# Altium PCB DM1092.PcbDoc (part 4 of 5) (continued)
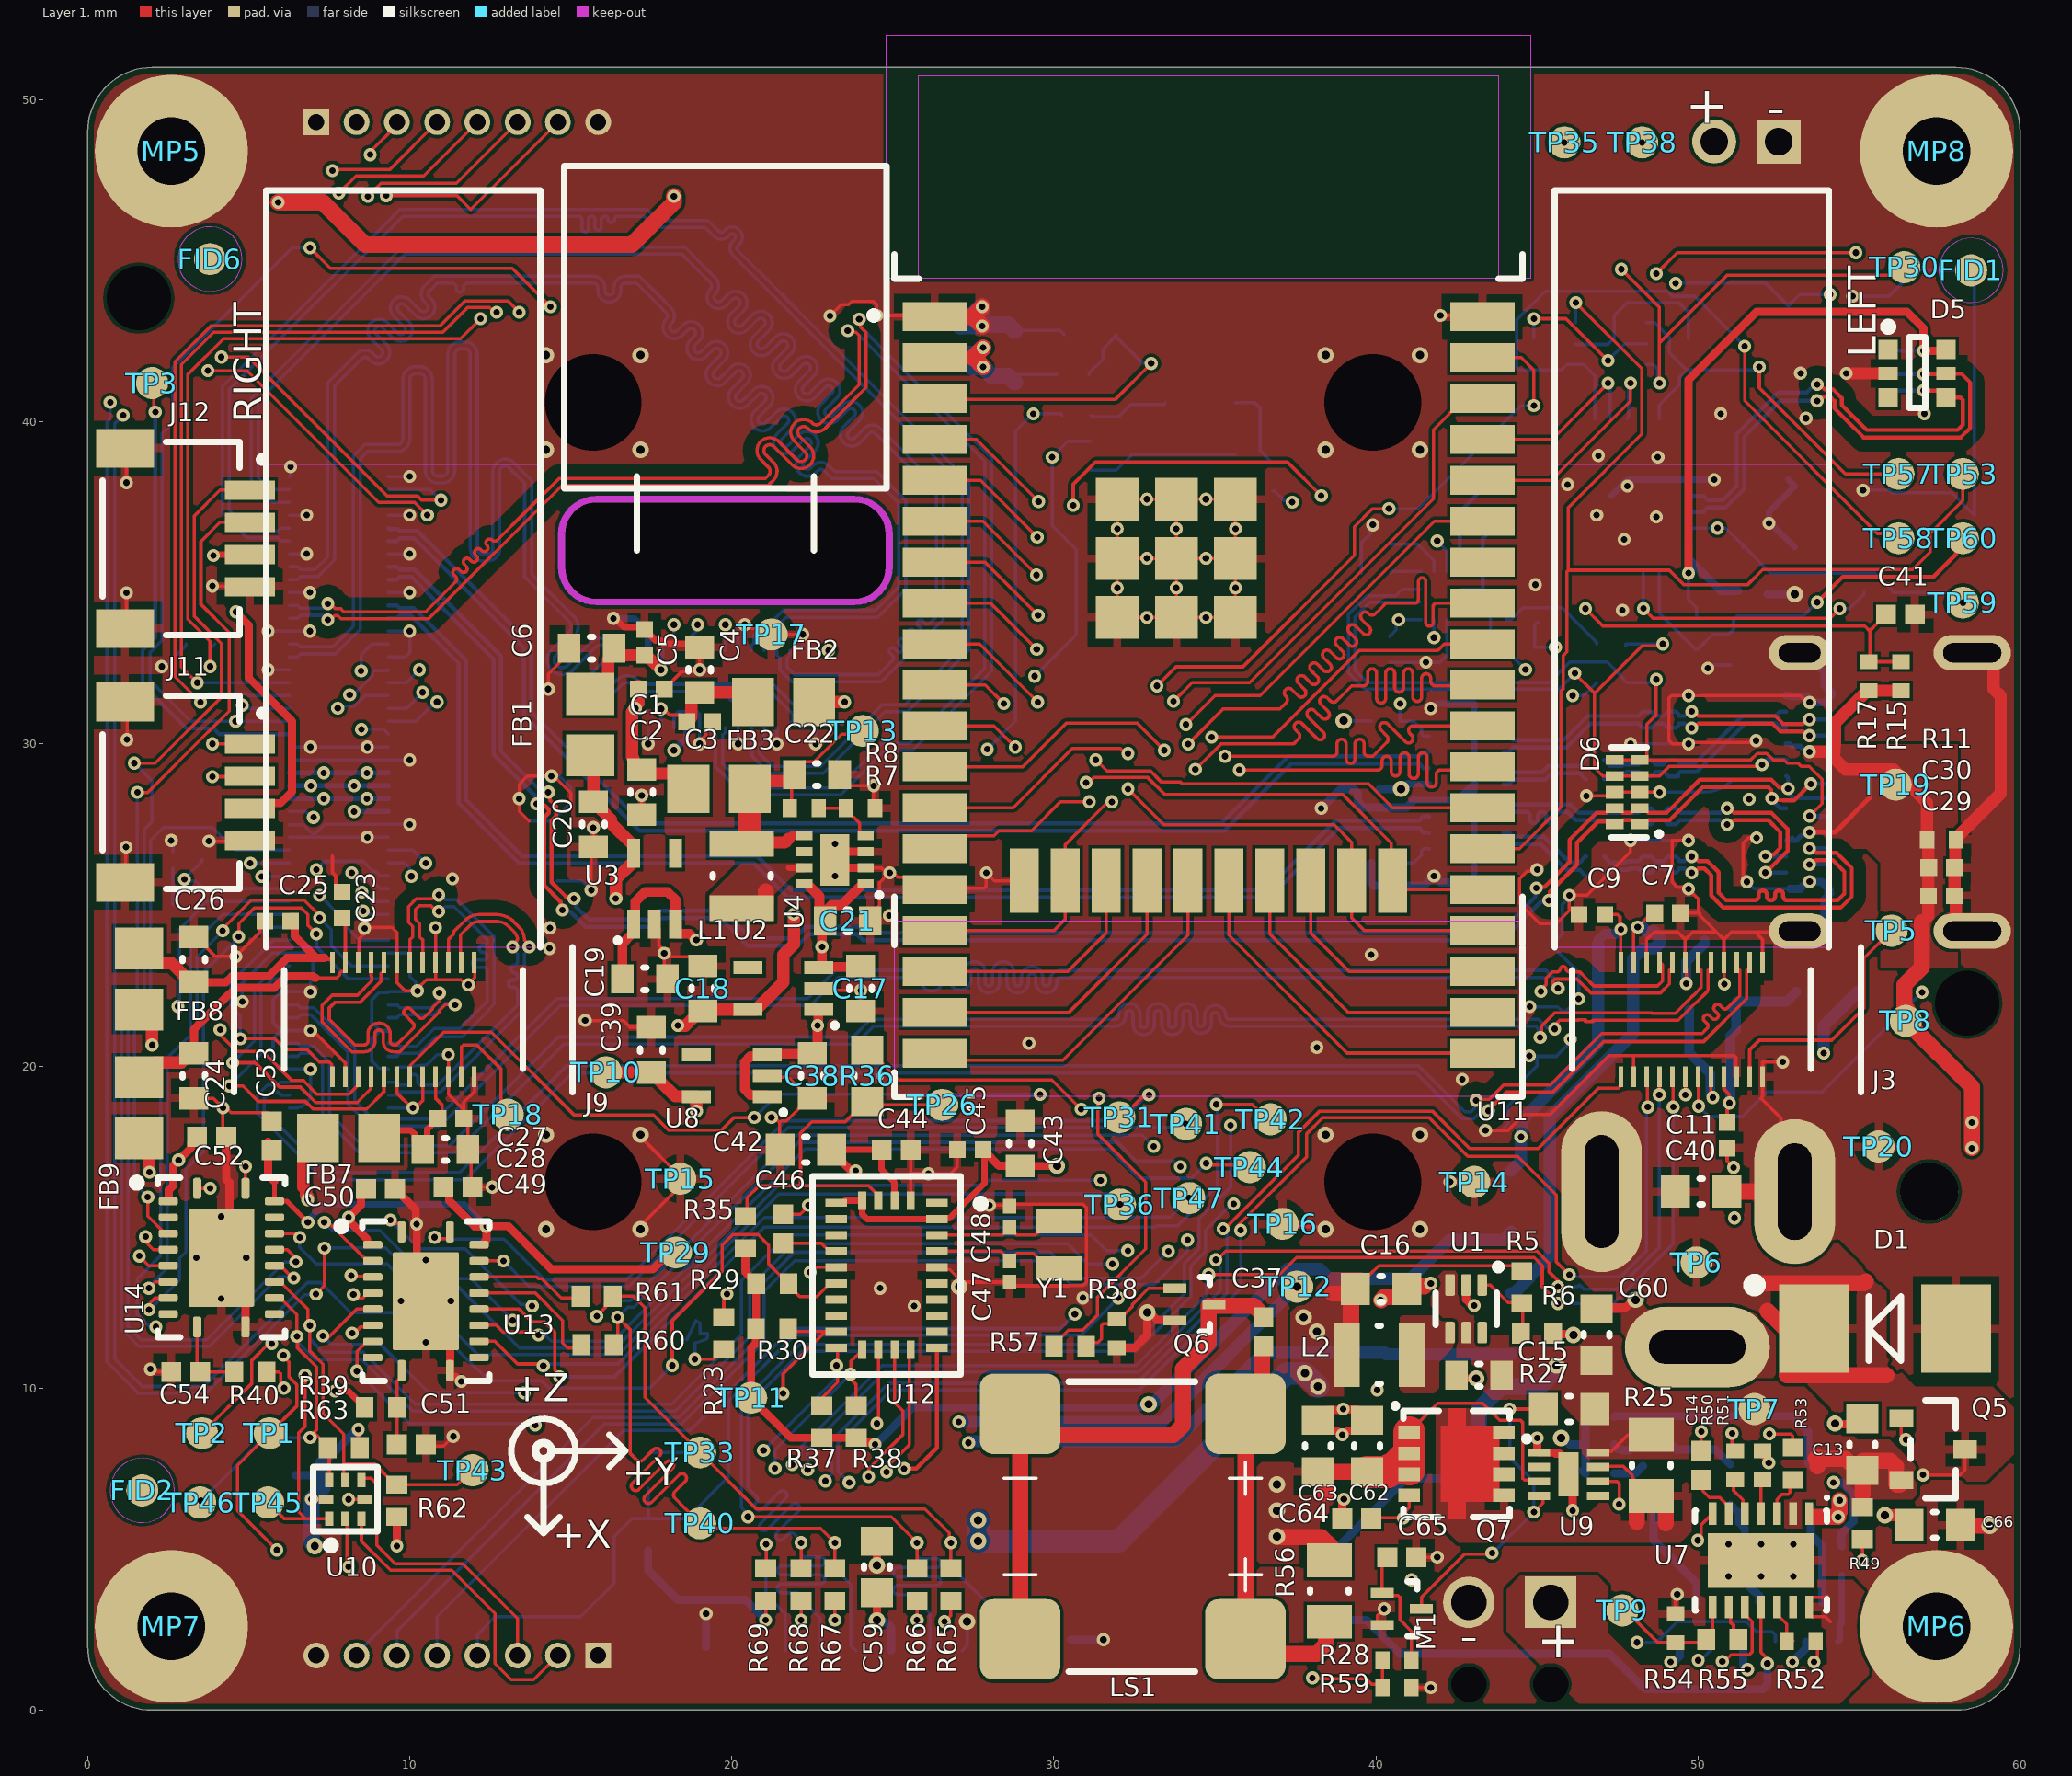
[diagram p0: Layer 1 view]
## Nets (pads, with @x,y where several pads share a name; then routed paths per layer and width w, separated by ;. In a path a pad name is that pad's centre, name@x,y a point inside that pad or via, vN(x,y) a via of type N, cw(c..) or ccw(c..) an arc to the next point about the centre after c; other vN are vias at no path point) (continued)
MIPI_RX5_D0_N: J1.21 J2.8 | length 50.7
  Layer 1 w0.102: v1(7.461,34.353) 7.528,34.353 7.677,34.204 7.847,34.204 7.95,34.1 10.495,34.1 11.39,34.996 11.426,35.032 ccw(c11.345,35.112) 11.426,35.193 11.372,35.247 cw(c11.453,35.328) 11.534,35.409 11.588,35.355 ccw(c11.669,35.436) 11.75,35.517 11.695,35.571 cw(c11.776,35.652) 11.695,35.732 cw(c11.776,35.652) 11.857,35.732 11.911,35.678 ccw(c11.992,35.759) 12.073,35.84 12.046,35.867 cw(c12.126,35.948) 12.046,36.029 cw(c12.126,35.948) 12.207,36.029 12.234,36.001 ccw(c12.315,36.082) 12.396,36.163 cw(c12.477,36.244) 12.558,36.325 ccw(c12.639,36.406) 12.719,36.325 13.613,37.218 14.638,38.244 21.044,38.244 21.137,38.337 ccw(c21.012,38.463) 21.137,38.589 20.895,38.831 cw(c21.173,39.11) 20.895,39.388 cw(c21.173,39.11) 21.416,39.42 21.42,39.42 22.022,38.818 ccw(c22.148,38.943) 22.274,39.069 ; 22.273,39.069 21.945,39.397 cw(c22.224,39.675) 22.502,39.954 ; 22.502,39.954 ccw(c22.628,40.079) 22.754,39.954 ; 22.754,39.954 23.511,40.711 23.951,41.151 23.951,42.681 23.85,42.783 23.644,42.783 v1(23.597,42.83)
  Layer 6 w0.102: J1.21@6.26,34.3 6.52,34.3 6.612,34.208 7.401,34.208 7.403,34.209 7.403,34.295 v1(7.461,34.353) ; J2.8@19.8,30.5 19.8,30.36 19.708,30.268 19.708,29.386 20.459,28.634 23.284,28.634 24.666,30.016 25.516,30.016 27.85,32.35 27.85,38.783 23.85,42.783 23.644,42.783 v1(23.597,42.83) v1@23.651,42.884
MIPI_RX5_D0_P: J1.23 J2.9 | length 50.6
  Layer 1 w0.102: v1(7.461,33.847) 7.532,33.847 7.673,33.988 7.757,33.988 7.861,33.884 10.584,33.884 14.728,38.028 21.133,38.028 21.178,38.072 21.29,38.184 ccw(c21.012,38.463) 21.322,38.706 21.322,38.71 21.048,38.983 cw(c21.173,39.11) 21.047,39.235 ; 21.048,39.236 cw(c21.173,39.11) 21.3,39.235 ; 21.3,39.234 21.87,38.664 ccw(c22.148,38.943) 22.426,39.222 22.099,39.549 ; 22.098,39.549 cw(c22.224,39.675) 22.35,39.8 ccw(c22.628,40.079) 22.906,39.801 23.664,40.559 ; 23.664,40.559 23.776,40.671 24.167,41.062 24.167,42.771 24.003,42.936 24.003,43.141 v1(23.955,43.188)
  Layer 6 w0.102: J1.23@6.26,33.9 6.52,33.9 6.612,33.992 v1@7.401,33.992 ; J2.9@19.4,30.5 19.4,30.36 19.492,30.268 19.492,29.296 20.37,28.418 23.374,28.418 24.755,29.8 25.605,29.8 28.066,32.261 28.066,38.872 24.003,42.936 24.003,43.141 v1(23.955,43.188) v1@23.916,43.149
MIPI_RX5_D1_N: J1.27 J2.2 | length 51.1
  Layer 6 w0.102: J1.27@6.26,33.1 6.52,33.1 6.612,33.008 7.608,33.008 8.25,33.65 8.25,38.937 8.607,39.294 9.617,39.294 ccw(c9.617,39.463) 9.786,39.463 9.786,41.321 cw(c10.17,41.321) 10.17,41.705 10.315,41.705 cw(c10.315,41.321) 10.7,41.321 10.7,38.486 ccw(c10.869,38.486) 10.869,38.318 11.014,38.318 ccw(c11.014,38.486) 11.183,38.486 11.183,42.097 cw(c11.567,42.097) 11.567,42.482 11.712,42.482 cw(c11.712,42.097) 12.097,42.097 12.097,36.059 ccw(c12.266,36.059) 12.266,35.89 12.411,35.89 ccw(c12.411,36.059) 12.58,36.059 12.58,38.457 cw(c12.964,38.457) 13.201,38.76 13.205,38.76 13.721,38.244 13.784,38.181 13.784,35.269 15.095,33.958 ; 14.686,34.367 15.095,33.958 ; 15.614,33.148 14.9,32.434 cw(c14.729,32.605) 14.559,32.433 14.558,32.435 cw(c14.729,32.605) 14.559,32.775 15.095,33.311 ccw(c14.772,33.635) 15.127,33.923 15.127,33.926 15.095,33.958 ; 15.614,33.148 cw(c15.938,32.825) 16.261,33.149 cw(c15.938,32.825) 16.261,32.502 15.546,31.787 ccw(c15.717,31.617) 15.546,31.447 15.547,31.446 ccw(c15.717,31.617) 15.888,31.446 16.424,31.982 cw(c16.747,31.659) 17.035,32.014 17.039,32.014 17.07,31.983 ; 17.071,31.982 17.183,31.87 17.203,31.85 21.275,31.85 22.108,31.017 22.108,30.732 22.2,30.64 J2.2@22.2,30.5
MIPI_RX5_D1_P: J1.29 J2.3 | length 51.1
  Layer 6 w0.102: J1.29@6.26,32.7 6.52,32.7 6.612,32.792 7.697,32.792 8.466,33.561 8.466,38.847 8.697,39.078 9.617,39.078 ccw(c9.617,39.463) 10.001,39.463 10.001,41.321 cw(c10.17,41.321) 10.17,41.489 10.315,41.489 cw(c10.315,41.321) 10.484,41.321 10.484,38.486 ccw(c10.869,38.486) 10.869,38.102 11.014,38.102 ccw(c11.014,38.486) 11.398,38.486 11.398,42.097 cw(c11.567,42.097) 11.567,42.266 11.712,42.266 cw(c11.712,42.097) 11.881,42.097 11.881,36.059 ccw(c12.266,36.059) 12.266,35.674 12.411,35.674 ccw(c12.411,36.059) 12.795,36.059 12.795,38.457 cw(c12.964,38.457) 13.085,38.575 13.568,38.092 13.568,35.179 14.533,34.214 ; 15.394,31.94 ccw(c15.717,31.617) 15.394,31.293 ccw(c15.717,31.617) 16.041,31.294 ; 15.394,31.941 16.108,32.655 ccw(c15.938,32.825) 16.109,32.995 ; 16.041,31.294 16.576,31.829 cw(c16.747,31.659) 16.919,31.829 17.03,31.718 17.114,31.634 19.4,31.634 19.756,31.634 cw(c19.756,31.482) 19.908,31.482 ccw(c20.06,31.481) 20.213,31.481 cw(c20.365,31.482) 20.365,31.634 21.186,31.634 21.692,31.128 21.892,30.928 21.892,30.732 21.8,30.64 J2.3@21.8,30.5 ; 16.108,32.996 ccw(c15.938,32.825) 15.767,32.996 15.053,32.282 cw(c14.729,32.605) 14.406,32.281 cw(c14.729,32.605) 14.406,32.928 14.942,33.464 ccw(c14.772,33.635) 14.941,33.806 ; 14.533,34.214 14.941,33.806 ; 14.533,34.214 14.941,33.806
MX_INT_1V8: J1.59 U14.4 | length 17.7
  Layer 1 w0.102: v1(1.865,15.935) 1.865,15.337 2.402,14.8 U14.4@2.5,14.8
  Layer 6 w0.102: v1(1.865,15.935) 1.455,16.345 1.455,21.27 1.95,21.765 1.95,27 2.35,27.4 3.885,27.4 4.585,26.7 J1.59@6.26,26.7
MX_INT_3V3: TP36.1 U11.8 U14.17 | length 52.5
  Layer 1 w0.102: U14.17@5.8,14.8 6.458,14.8 v1(6.584,14.673) ; U11.8@26.3,34.37 28.03,34.37 v1(29.464,32.936) ; v1(32.05,15.7) 32.05,15.832 TP36.1@32.131,15.914
  Layer 3 w0.102: v1(29.464,32.936) 29.85,32.55 29.85,30.702 29.84,30.692 29.84,26.148 31.754,24.233 31.754,16.688 32.05,16.392 v1(32.05,15.7)
  Layer 6 w0.102: v1(6.584,14.673) 6.584,14.366 7.1,13.85 9.3,13.85 12.102,11.048 14.231,11.048 14.233,11.047 16.478,11.047 17.791,12.359 21.461,16.029 27.844,16.029 27.847,16.032 31.648,16.032 31.981,15.7 v1(32.05,15.7)
MX_RST_1V8: B1.2 J1.39 Q3.1 TP2.1 U14.1 | length 155.1
  Layer 1 w0.102: U14.1@3.4,16.2 v1(3.8,16.2) ; TP2.1@3.55,8.6 5.1,10.15 5.1,10.863 5.626,11.39 5.634,11.382 v1(5.718,11.382) ; v1(6.9,45.4) 7.54,44.76 13.181,44.76 v1(14.368,43.574) ; v1(30.6,37.4) 30.6,38.06 31.286,38.746 37.254,38.746 v1(38.3,37.7)
  Layer 3 w0.102: v1(4.594,30.7) 4.071,30.7 3.41,30.04 3.41,26.516 5.356,24.571 5.356,17.835 3.8,16.28 v1(3.8,16.2) 3.8,15.476 3.796,15.472 3.796,15.178 3.8,15.174 3.8,14.411 5.15,13.061 5.15,11.95 5.7,11.4 v1(5.718,11.382) ; v1(14.368,43.574) 16.752,43.574 22.197,38.129 29.8,38.129 30.529,37.4 v1(30.6,37.4) ; v1(38.3,37.7) 39.554,36.446 41.545,36.446 42.876,37.777 43.332,37.777 46.253,40.698 46.253,41.454 49.041,44.242 49.242,44.242 v1(49.3,44.3) ; v1(50,1.55) 50.392,1.158 50.927,1.158 51.2,1.43 51.2,1.9 52.8,3.5 54.65,3.5 56.675,5.525 59.093,7.943 59.093,18.407 56.5,21 56.5,39.2 55.8,39.9 55.8,42.25 v1(54.1,43.95)
  Layer 6 w0.102: J1.39@6.26,30.7 v1(4.594,30.7) 3.2,30.7 1.946,31.954 1.946,32.843 2.314,33.211 2.314,39.632 2.633,39.951 2.633,41.683 6.35,45.4 v1(6.9,45.4) ; v1(49.3,44.3) 52.101,44.3 B1.2@52.8,43.6 ; v1(50,1.55) 50.075,1.55 50.45,1.925 Q3.1@50.45,2.13 Q3.1@50.45,2.335 ; B1.2@52.8,43.6 53.15,43.95 v1(54.1,43.95)
MX_RST_3V3: TP45.1 U10.1 U14.20 | length 14.7
  Layer 1 w0.102: U14.20@4.9,16.2 v1(4.9,16.879) ; TP45.1@5.6,6.45 6.1,5.95 6.761,5.95 ; v1(6.75,10.4) 6.75,8.809 6.551,8.61 6.551,6.16 6.761,5.95 ; U10.1@7.5,5.946 7.496,5.95 6.761,5.95
  Layer 3 w0.102: v1(4.9,16.879) 4.9,14.85 5.493,14.257 5.493,12.108 6.7,10.901 6.7,10.45 v1(6.75,10.4)
NetC14_2: C14.2 U7.6 | length 1.7
  Layer 1 w0.102: C14.2@50.1,7.22 50.15,7.17 50.15,6.8 50.349,6.601 50.674,6.601 50.95,6.325 U7.6@50.95,6.1
NetC37_1: C37.1 LS1.1 LS1.4 R56.2 | length 13
  Layer 1 w0.5: C37.1@36.5,11.3 36.457,11.257 36.457,9.707 LS1.1@35.95,9.2 LS1.4@35.95,2.2 36.4,1.75 38.157,1.75 38.45,2.043 38.45,2.75 R56.2@38.55,2.75 R56.2@38.5,2.8
NetC37_2: C37.2 LS1.2 LS1.3 Q6.3 | length 18.2
  Layer 1 w0.5: LS1.3@28.95,2.2 LS1.2@28.95,9.2 29.6,8.55 33.707,8.55 34,8.843 34,10.6 34.8,11.4 Q6.3@34.8,12.55 ; Q6.3@35.015,12.55 36.2,12.55 C37.2@36.55,12.2
NetC40_2: C40.2 D1.1 J7.1 Q5.3 TP6.1 U7.7 | length 19.3
  Layer 1 w0.102: v1(49.989,5.276) 49.989,5.353 50.1,5.464 50.1,5.764 50.443,6.107 U7.7@50.45,6.1 ; v1(56.981,7.304) 58.135,7.304 58.291,7.459 Q5.3@58.291,8.1
  Layer 1 w0.5: 52.05,13.25 55.144,13.25 55.202,13.308 ; 52.15,12.4 52.78,11.77 52.898,11.67 D1.1@53.528,11.978 ; 52.753,10.4 55.847,10.4
  Layer 3 w0.102: v1(49.989,5.276) 49.989,5.34 50.199,5.551 56.123,5.551 56.931,6.358 v1@56.931,7.154
NetC51_2: C51.2 R39.1 U13.10 | length 2.4
  Layer 1 w0.102: C51.2@9.6,8.25 R39.1@9.6,9.4 9.6,10.216 9.667,10.283 9.677,10.283 9.75,10.356 U13.10@9.75,10.55
NetC54_2: C54.2 R40.2 U14.10 | length 2.6
  Layer 1 w0.102: U14.10@3.4,11.9 3.4,10.85 3.4,10.6 C54.2@3.5,10.5 ; C54.2@3.6,10.4 C54.2@3.5,10.5 ; R40.2@4.55,10.5 C54.2@3.5,10.5
NetC65_2: C65.2 M1.1 R28.1 | length 3.9
  Layer 1 w0.102: C65.2@40.35,4.75 40.19,4.59 M1.1@40.19,3.65 40.28,3.56 40.69,3.56 40.75,3.5 40.75,2.8 41.1,2.45 R28.1@41.1,1.55
NetD2_1: D2.1 Q1.3 | length 3.1
  Layer 6 w0.254: D2.1@53.5,6.332 53.5,5.45 53.85,5.1 Q1.3@53.85,3.35
NetD2_2: D2.2 R32.1 | length 7.3
  Layer 6 w0.254: R32.1@47.4,9.1 47.43,9.13 52.932,9.13 53.409,8.653 53.409,7.674 D2.2@53.5,7.582
NetD3_1: D3.1 Q2.3 | length 3.4
  Layer 6 w0.254: D3.1@51,6.382 51.273,6.109 51.273,5.827 51.45,5.65 51.45,3.975 51.752,3.673 51.782,3.673 51.9,3.555 Q2.3@51.9,3.35
NetD3_2: D3.2 R33.1 | length 4
  Layer 6 w0.254: R33.1@47.4,8.25 47.4,8.2 47.498,8.102 47.605,8.102 47.647,8.061 47.857,8.061 48.006,8.209 49.214,8.209 49.331,8.093 50.54,8.093 D3.2@51,7.632
NetD4_1: D4.1 Q3.3 | length 3.5
  Layer 6 w0.254: D4.1@48.619,6.332 48.619,5.281 49.95,3.95 Q3.3@49.95,3.35
NetD4_2: D4.2 R34.1 | length 1
  Layer 6 w0.254: R34.1@47.4,7.35 48.05,7.35 D4.2@48.282,7.582
NetD9_2: D9.2 R48.1 | length 6.1
  Layer 6 w0.254: D9.2@38.6,4.4 38.6,4.85 40.948,7.198 42.753,7.198 42.902,7.347 42.902,7.402 43.05,7.55 R48.1@43.1,7.55
NetJ1_4: J1.4 R36.2 | length 91.4
  Layer 1 w0.102: v1(4.15,42.007) 4.989,42.007 9.294,37.702 10.233,37.702 10.369,37.565 v1(10.973,37.565) ; v1(7.092,12.923) 7.35,13.181 v1(7.35,14.35) ; R36.2@24.25,20.5 25.186,19.564 29.939,19.564 v1(30.848,18.655)
  Layer 3 w0.102: v1(0.7,40.6) 2.107,42.007 v1(4.15,42.007) ; v1(30.848,18.655) 31.45,18.053 v1(31.45,16.45)
  Layer 6 w0.102: v1(0.7,40.6) 0.7,40.085 0.6,39.985 0.6,10.809 1.561,9.848 3.684,9.848 6.736,12.901 7.07,12.901 v1(7.092,12.923) ; v1(7.35,14.35) 9.25,14.35 10.45,13.15 11.5,13.15 13.4,11.25 14.315,11.25 14.316,11.248 16.395,11.248 17.491,12.345 21.446,16.3 27.83,16.3 27.98,16.45 v1(31.45,16.45) ; J1.4@9.34,37.9 10.639,37.9 v1(10.973,37.565)
NetJ14_1: J14.1 R69.1 | length 4.3
  Layer 1 w0.102: R69.1@21.05,4.4 21.065,4.415 v1(21.065,5.157)
  Layer 6 w0.102: v1(21.065,5.157) 21.05,5.142 21.05,3.6 21.65,3 J14.1@21.65,1.85
NetL1_1: L1.1 U4.7 | length 1.7
  Layer 1 w0.2: 21.781,26.15 U4.7@22.25,26.15
  Layer 1 w0.5: L1.1@20.3,24.9 20.9,24.9 21.05,25.05 21.05,25.419
NetL2_1: L2.1 U1.4
NetM1_3: M1.3 R27.1 U9.4 | length 11.2
  Layer 1 w0.102: M1.3@41.41,3.15 41.41,3.51 42.75,4.85 43.57,4.85 v1(43.6,4.88) ; v1(44.15,9.35) 44.801,9.35 45.189,8.962 R27.1@45.189,8.905 ; v1(44.9,6.15) 45.182,6.432 45.182,6.576 45.108,6.65 U9.4@45.05,6.65 ; R27.1@44.95,9.05 45.044,9.05 R27.1@45.189,8.905 ; R27.1@45.2,9.35 45.189,9.339 R27.1@45.189,8.905
  Layer 6 w0.102: v1(43.6,4.88) 43.63,4.88 v1(44.9,6.15) 44.9,7.101 44.15,7.851 v1(44.15,9.35)
NetQ1_1: Q1.1 R31.1 | length 2.1
  Layer 6 w0.203: Q1.1@54.35,2.13 54.398,2.178 54.398,2.648 54.45,2.7 R31.1@54.45,4.2
NetQ4_2: Q4.2 R46.1 | length 4.9
  Layer 1 w0.102: v1(44.9,43.2) 45.9,43.2 v1(47.2,41.9)
  Layer 6 w0.102: R46.1@44.9,42.6 v1(44.9,43.2) ; v1(47.2,41.9) 47.725,42.425 Q4.2@48.4,42.425
NetQ4_5: Q4.5 R43.2 | length 5.4
  Layer 6 w0.102: Q4.5@46.2,42.425 46.225,42.4 47.2,42.4 47.4,42.6 47.4,43.3 47.798,43.698 49.402,43.698 49.7,43.4 R43.2@49.7,42.6
NetQ5_1: Q5.1 R49.1 U7.10 | length 15.5
  Layer 1 w0.102: v1(50.75,1.512) 50.812,1.512 51.024,1.724 51.587,1.724 51.676,1.813 51.676,2.749 51.45,2.975 U7.10@51.45,3.2 ; v1(55.1,4.65) 55.1,4.999 54.95,5.15 R49.1@55.1,5.3 ; Q5.1@56.309,9.052 56.309,8.541 v1(56.45,8.4)
  Layer 3 w0.102: v1(50.75,1.512) 50.804,1.566 50.804,1.789 52.716,3.702 54.001,3.702 54.95,4.65 55.508,4.65 57.558,6.7 57.558,7.617 56.775,8.4 v1(56.45,8.4)
NetQ6_1: Q6.1 R57.2 R58.2 | length 3.8
  Layer 1 w0.102: R57.2@31,11.3 31.118,11.418 31.368,11.418 31.474,11.524 31.474,11.944 31.534,12.004 31.904,12.004 32.44,12.54 32.44,12.6 32.935,13.095 Q6.1@33.75,13.095
NetR4_2: R4.2 R24.1 R26.1 | length 4.7
  Layer 6 w0.102: R4.2@31.138,38.492 31.938,38.492 32.388,38.942 32.388,38.992 33.988,38.992 34.038,38.992 R24.1@35.638,38.992
NetR7_1: R7.1 R8.2 U4.4 | length 2
  Layer 1 w0.102: R7.1@22.7,28 R8.2@23.55,28 23.55,27.95 23.963,27.537 23.963,27.227 24.04,27.15 U4.4@24.15,27.15
NetR12_1: R12.1 U5.2 | length 1.2
  Layer 6 w0.102: R12.1@40.75,26.3 41.165,26.3 41.413,26.548 41.413,26.689 41.475,26.75 U5.2@41.65,26.75
NetR13_1: R13.1 U5.9 U6.11 | length 5
  Layer 3 w0.102: v1(40.75,31.25) 40.814,31.25 40.991,31.428 40.991,32.784 41.504,33.297 41.797,33.297 v1(41.8,33.3)
  Layer 6 w0.102: v1(40.75,31.25) R13.1@40.75,30.7 41.165,30.7 41.413,30.452 41.413,30.312 41.475,30.25 U5.9@41.65,30.25 ; v1(41.8,33.3) U6.11@41.8,33.85
NetR18_1: R18.1 R20.1 TP23.1 U6.7 | length 7.1
  Layer 6 w0.102: U6.7@42.65,34.8 43.313,34.8 43.658,34.455 43.658,34.369 44.05,33.977 44.05,33.85 44.177,33.85 44.553,34.226 45.774,34.226 46.85,33.15 R18.1@46.85,33.1
  Layer 6 w0.127: 43.313,34.8 43.313,36.378 TP23.1@43.411,36.476
NetR19_1: R19.1 R21.1 TP22.1 U6.8 | length 7.2
  Layer 3 w0.102: v1(44.64,32.306) 45.294,32.306 v1(46.1,31.5)
  Layer 6 w0.102: U6.8@42.65,34.4 43.152,34.4 43.55,34.002 43.55,33.318 43.829,33.039 43.973,33.039 43.986,33.026 R21.1@43.986,32.882 ; R21.1@44.02,32.848 44.02,32.798 44.147,32.798 44.506,32.439 v1(44.64,32.306) ; v1(46.1,31.5) 46.45,31.5 R19.1@46.85,31.9
  Layer 6 w0.127: TP22.1@43.018,32.684 43.986,32.684 44.02,32.718 R21.1@44.02,32.798 ; R21.1@43.986,32.882 R21.1@44.02,32.848
NetR42_2: R42.2 R44.2 TP60.1 U15.8 | length 12.6
  Layer 1 w0.127: v1(53.7,34.4) 54.485,35.185 57.305,35.185 57.999,35.88 57.999,35.927 58.172,36.099 TP60.1@58.219,36.099
  Layer 6 w0.102: U15.8@48.8,35.3 48.8,34.05 49.9,32.95 R42.2@49.95,32.95 50,32.95 50.45,33.4 50.95,33.4 R44.2@51,33.45 51.1,33.55 51.1,33.85 51.214,33.964 53.264,33.964 v1(53.7,34.4)
NetR45_2: R45.2 U15.9 | length 8.4
  Layer 1 w0.102: v1(48.3,34.201) 48.601,33.9 54.1,33.9 v1(54.4,34.2)
  Layer 6 w0.102: v1(48.3,34.201) U15.9@48.3,35.3 ; v1(54.4,34.2) 54.7,34.2 55.15,34.65 R45.2@55.15,34.7
NetR52_2: R52.2 U7.12 | length 1.3
  Layer 1 w0.102: U7.12@52.45,3.2 52.45,2.975 52.75,2.675 52.75,2.35 R52.2@52.95,2.15
NetR53_2: R53.2 U7.3 | length 1.4
  Layer 1 w0.102: U7.3@52.45,6.1 52.45,6.55 52.6,6.7 52.79,6.7 52.85,6.76 R53.2@52.85,7.15 ; R53.2@52.75,7.15 R53.2@52.75,7.25
NetR55_1: R55.1 U7.9 | length 1.1
  Layer 1 w0.102: U7.9@50.95,3.2 51.01,3.14 51.01,2.7 51.04,2.7 51.1,2.64 51.1,2.35 R55.1@51.25,2.2
NetTP21_1: TP21.1 U6.6 | length 3
  Layer 6 w0.127: U6.6@42.6,35.35 42.6,37.205 TP21.1@43.403,38.008
NTC: R54.2 R55.2 TP9.1 U7.8 | length 4.3
  Layer 1 w0.102: TP9.1@47.85,3.1 47.85,2.999 48.749,2.1 R54.2@49.3,2.1 50.15,2.1 R55.2@50.25,2.2 50.45,2.4 U7.8@50.45,3.2 50.45,3.425 U7.8@50.376,3.499
RTS: Q4.4 R46.2 TP58.1 U15.24 | length 21.9
  Layer 1 w0.102: v1(51.447,42.344) 51.447,40.653 55.567,36.533 56.069,36.533 TP58.1@56.219,36.383
  Layer 6 w0.102: U15.24@46.8,40.1 46.8,41.425 46.45,41.775 45.923,41.775 45.748,41.6 44.423,41.6 44.363,41.66 44.363,43.164 45.253,44.054 49.045,44.054 49.199,43.9 49.891,43.9 v1(51.447,42.344)
RXB_N: D7.2 D7.9 J10.B10 U5.13 | length 11
  Layer 1 w0.127: v1(49.8,30.497) 49.875,30.497 50.014,30.636 52.302,30.636 52.546,30.392 53.245,30.392 53.381,30.256 v1(53.457,30.256)
  Layer 6 w0.127: U5.13@43.95,29.75 44.125,29.75 44.261,29.886 45.919,29.886 46.669,30.636 48.149,30.636 48.285,30.5 D7.9@48.41,30.5 48.535,30.5 48.671,30.636 48.929,30.636 49.065,30.5 D7.2@49.19,30.5 49.315,30.5 49.401,30.586 49.401,30.631 49.406,30.636 49.586,30.636 49.725,30.497 v1(49.8,30.497) ; v1(53.457,30.256) J10.B10@54.041,30.256
RXB_P: D7.1 D7.10 J10.B11 U5.12 | length 11
  Layer 1 w0.127: v1(49.8,31.003) 49.875,31.003 50.014,30.864 52.397,30.864 52.641,30.621 53.245,30.621 53.381,30.756 v1(53.457,30.756)
  Layer 6 w0.127: U5.12@43.95,30.25 44.125,30.25 44.261,30.114 45.825,30.114 46.575,30.864 48.149,30.864 48.285,31 D7.10@48.41,31 48.535,31 48.671,30.864 48.929,30.864 49.065,31 D7.1@49.19,31 49.315,31 49.401,30.913 49.401,30.869 49.406,30.864 49.586,30.864 49.725,31.003 v1(49.8,31.003) ; v1(53.457,30.756) J10.B11@54.041,30.756
RXC_N: D8.2 D8.9 J10.A10 U5.17 | length 11.8
  Layer 1 w0.127: v1(50.9,27.494) 50.975,27.494 51.114,27.632 52.179,27.632 52.545,27.267 52.545,26.769 52.34,26.564 v1@52.22,26.564 ; v1(52.091,26.51) v1@52.118,26.51
  Layer 6 w0.127: U5.17@43.95,27.75 44.125,27.75 44.261,27.886 44.332,27.886 44.649,27.886 cw(c44.649,27.759) 44.776,27.759 44.776,27.672 ccw(c44.903,27.672) 45.03,27.672 45.03,27.759 cw(c45.157,27.759) 45.284,27.759 45.284,27.672 ccw(c45.411,27.672) 45.538,27.672 45.538,27.759 cw(c45.665,27.759) 45.665,27.886 45.941,27.886 46.164,27.662 46.191,27.636 46.228,27.636 48.149,27.636 48.285,27.5 48.535,27.5 48.671,27.636 48.929,27.636 49.065,27.5 49.315,27.5 49.451,27.636 49.968,27.636 49.972,27.633 50.686,27.633 50.825,27.494 v1(50.9,27.494) ; v1(52.091,26.51) 52.093,26.508 52.739,26.508 J10.A10@52.741,26.506
RXC_P: D8.1 D8.10 J10.A11 U5.16 | length 11.8
  Layer 1 w0.127: v1(50.9,28) 50.975,28 51.114,27.861 52.274,27.861 52.773,27.362 52.773,26.674 52.102,26.002 v1(52.091,26.002)
  Layer 6 w0.127: U5.16@43.95,28.25 44.125,28.25 44.261,28.114 46.035,28.114 46.285,27.864 48.149,27.864 48.285,28 48.535,28 48.671,27.864 48.929,27.864 49.065,28 49.315,28 49.451,27.864 50.063,27.864 50.066,27.861 50.686,27.861 50.825,28 v1(50.9,28) ; v1(52.091,26.002) 52.093,26.004 52.739,26.004 J10.A11@52.741,26.006
SD_SPI_CS: J14.2 R68.1 U11.27 | length 63.6
  Layer 1 w0.102: R68.1@22.15,4.4 v1(22.15,5.2) ; v1(35.75,29.19) 40,29.19 40.051,29.19 ccw(c40.051,29.329) 40.191,29.329 40.191,29.478 cw(c40.33,29.478) 40.47,29.478 40.47,29.145 ccw(c40.61,29.145) 40.749,29.145 40.749,29.583 cw(c40.889,29.583) 41.029,29.583 41.029,29.063 ccw(c41.168,29.063) 41.308,29.063 41.308,29.583 cw(c41.448,29.583) 41.588,29.583 41.588,28.797 ccw(c41.727,28.797) 41.867,28.797 41.867,29.05 cw(c42.007,29.05) 42.007,29.19 42.45,29.19 43.2,29.19 U11.27@43.3,29.29
  Layer 3 w0.102: v1(35.58,15.72) 35.58,15.802 35.885,16.107 35.885,28.988 35.75,29.123 v1(35.75,29.19)
  Layer 6 w0.102: J14.2@22.75,1.85 22.75,2.85 22.15,3.45 22.15,3.501 ccw(c22.01,3.501) 22.01,3.641 21.554,3.641 cw(c21.554,3.78) 21.554,3.92 22.746,3.92 ccw(c22.746,4.06) 22.746,4.199 21.554,4.199 cw(c21.554,4.339) 21.554,4.479 22.746,4.479 ccw(c22.746,4.618) 22.746,4.758 22.29,4.758 cw(c22.29,4.898) 22.15,4.898 22.15,5.167 22.15,5.255 21.977,5.427 21.941,5.463 ccw(c21.843,5.364) 21.744,5.463 21.601,5.32 cw(c21.502,5.419) 21.403,5.517 22.067,6.181 ccw(c21.968,6.28) 21.869,6.379 21.1,5.61 cw(c21.001,5.708) 20.902,5.807 21.672,6.576 ccw(c21.573,6.675) 21.672,6.774 ccw(c21.573,6.675) 21.474,6.774 20.951,6.251 cw(c20.852,6.35) 20.754,6.449 20.756,6.451 ccw(c20.657,6.55) 20.756,6.649 20.602,6.802 20.498,6.906 20.498,9.463 22.184,11.148 32.556,11.148 34.252,12.844 34.252,13.785 34.706,14.239 34.706,14.906 35.519,15.72 v1(35.58,15.72)
SD_SPI_MISO: J14.7 R60.2 R65.1 TP33.1 U11.36 | length 69.8
  Layer 1 w0.102: v1(15.804,12.233) 16.076,12.505 16.076,12.626 R60.2@16.3,12.85 16.95,12.85 17.3,12.5 17.3,9.715 TP33.1@19.015,8 20.765,6.25 26,6.25 26.75,5.5 26.75,5.25 v1(26.8,5.2) R65.1@26.8,4.4 ; v1(33.712,31.321) 34.291,31.9 36.079,31.9 41.785,37.606 41.785,39.755 42.75,40.72 U11.36@43.3,40.72
  Layer 3 w0.102: v1(33.098,17.5) 33.098,18.747 33.304,18.953 33.304,24.633 33.072,24.865 33.072,30.681 v1(33.712,31.321)
  Layer 6 w0.102: v1(15.804,12.233) 16.288,12.717 16.849,12.717 21.982,17.85 32.748,17.85 v1(33.098,17.5) ; v1(26.8,5.2) 26.811,5.189 26.811,4.439 28.25,3 J14.7@28.25,1.85
SD_SPI_MOSI: J14.3 R61.2 R67.1 TP40.1 U11.33 | length 69.7
  Layer 1 w0.102: R61.2@16.331,11.35 16.455,11.474 v1(16.455,12.2) 16.85,11.805 16.85,7.965 17.008,7.808 17.043,7.772 ccw(c17.142,7.87) 17.241,7.772 17.564,8.094 cw(c17.663,7.996) 17.761,7.897 16.918,7.054 ccw(c17.017,6.955) 17.116,6.856 17.959,7.699 cw(c18.058,7.601) 18.157,7.502 17.313,6.658 ccw(c17.412,6.56) 17.313,6.461 ccw(c17.412,6.56) 17.511,6.461 18.354,7.304 cw(c18.453,7.205) 18.552,7.107 18.229,6.784 ccw(c18.328,6.685) 18.229,6.586 18.533,6.283 TP40.1@19.015,5.8 19.165,5.65 22.75,5.65 v1(23.2,5.2) R67.1@23.2,4.4 ; v1@33.923,16.822 v1(33.923,16.872) ; v1(34.1,30.6) 35,31.5 36.4,31.5 41.81,36.91 U11.33@43.3,36.91
  Layer 3 w0.102: v1(33.923,16.872) 33.923,17.876 33.746,18.053 33.746,29.619 33.813,29.685 33.813,30.313 v1(34.1,30.6)
  Layer 6 w0.102: v1(16.455,12.2) 16.771,12.516 16.959,12.516 22.075,17.631 31.969,17.631 32.55,17.05 33.711,17.05 33.89,16.872 v1(33.923,16.872) ; v1(23.2,5.2) 23.2,4.4 23.7,3.9 23.7,2 J14.3@23.85,1.85
SD_SPI_SCK: J14.5 R66.1 U11.28 | length 63.5
  Layer 1 w0.102: v1(20.5,6.004) 20.504,6 24.95,6 v1(25.75,5.2) R66.1@25.75,4.4 ; v1@35.254,29.555 v1(35.314,29.614) 38.6,29.614 38.651,29.614 ccw(c38.651,29.754) 38.791,29.754 38.791,30.007 cw(c38.93,30.007) 39.07,30.007 39.07,29.531 ccw(c39.21,29.531) 39.349,29.531 39.349,30.007 cw(c39.489,30.007) 39.629,30.007 39.629,29.754 ccw(c39.768,29.754) 39.768,29.614 39.902,29.614 40.3,30.013 40.336,30.049 ccw(c40.237,30.147) 40.336,30.246 40.157,30.425 cw(c40.256,30.524) 40.354,30.623 40.91,30.067 ccw(c41.009,30.166) 41.108,30.265 41.051,30.322 cw(c41.15,30.42) 41.15,30.56 41.49,30.56 U11.28@43.3,30.56
  Layer 3 w0.102: v1(35.314,29.614) 35.255,29.556 35.255,29.293 35.254,29.292 35.254,29.209 35.425,29.038 35.425,18.221 v1(35.484,18.163)
  Layer 6 w0.102: v1(20.5,6.004) 20.5,6.082 20.297,6.286 20.297,9.547 22.1,11.35 32.472,11.35 34.05,12.928 34.05,13.868 34.504,14.322 34.504,15.254 35.484,16.234 v1(35.484,18.163) ; v1(25.75,5.2) 25.75,4.848 ccw(c25.89,4.848) 25.89,4.708 26.346,4.708 cw(c26.346,4.568) 26.346,4.429 25.154,4.429 ccw(c25.154,4.289) 25.154,4.149 26.346,4.149 cw(c26.346,4.01) 26.346,3.87 25.154,3.87 ccw(c25.154,3.73) 25.154,3.591 25.61,3.591 cw(c25.61,3.451) 25.75,3.451 25.75,3.4 26.15,3 26.15,1.95 J14.5@26.05,1.85
SPI0_CS_0: J1.70 U13.7 | length 15.7
  Layer 1 w0.102: v1(8.21,11.704) 8.28,11.704 8.469,11.894 8.794,11.894 U13.7@8.85,11.95
  Layer 3 w0.102: v1(8.21,11.704) 8.26,11.654 8.454,11.654 8.949,12.149 8.949,22.086 8.949,22.289 8.949,22.492 cw(c8.949,22.594) 8.949,22.695 8.949,22.898 cw(c8.949,23) 8.949,23.102 8.949,23.305 cw(c8.949,23.406) 8.949,23.508 8.949,23.711 8.949,23.821 8.949,24.42 8.559,24.81 v1(8.552,24.81)
  Layer 6 w0.102: v1(8.552,24.81) 8.655,24.81 8.765,24.7 J1.70@9.34,24.7
SPI0_SCK: J1.74 U12.19 U13.6 | length 42.1
  Layer 1 w0.102: v1(7.298,11.622) 7.358,11.562 7.358,11.55 7.451,11.55 8.351,12.45 U13.6@8.85,12.45 ; v1(24.8,7.4) 24.8,7.534 25.506,8.239 25.506,11.062 U12.19@25.549,11.105
  Layer 3 w0.102: v1(7.2,25.3) 7.704,24.796 7.704,14.075 7.454,13.825 7.454,11.777 v1(7.298,11.622) ; v1(13.55,9.854) 13.554,9.85 13.554,9.846 14.55,8.85 21.763,8.85 22.942,7.671 24.529,7.671 v1(24.8,7.4)
  Layer 6 w0.102: v1(7.2,25.3) 7.848,24.652 7.848,24.502 8.45,23.9 J1.74@9.34,23.9 ; v1(7.298,11.622) 7.57,11.35 9.1,11.35 10.596,9.854 v1(13.55,9.854)
SPI0_SIO0: J1.62 U12.17 U13.1 | length 33.3
  Layer 1 w0.102: v1@9.347,15.347 9.384,15.309 9.491,15.309 9.491,15.202 9.582,15.112 9.688,15.112 9.75,15.05 U13.1@9.75,14.85 ; v1(24.5,8.9) 24.55,8.95 U12.17@24.55,11.187
  Layer 3 w0.102: v1(9.4,15.218) 9.4,23.837 9.4,24.04 ccw(c9.4,24.141) 9.4,24.243 9.4,24.446 ccw(c9.4,24.548) 9.4,24.649 cw(c9.4,24.751) 9.4,24.853 ccw(c9.4,24.954) 9.4,25.056 9.4,25.259 9.4,25.448 9.796,25.844 10.004,25.844 v1(10.05,25.89) ; v1(13.802,12.548) 14.85,11.499 20.851,11.499 23.45,8.9 v1(24.5,8.9)
  Layer 6 w0.102: J1.62@9.34,26.3 9.842,26.3 9.992,26.151 9.992,25.948 v1(10.05,25.89) ; v1(9.4,15.218) 10.289,14.329 11.721,14.329 13.446,12.604 13.745,12.604 v1(13.802,12.548)